# Altium PCB EVK-IRIS-W1.PcbDoc (part 8 of 9) (continued)
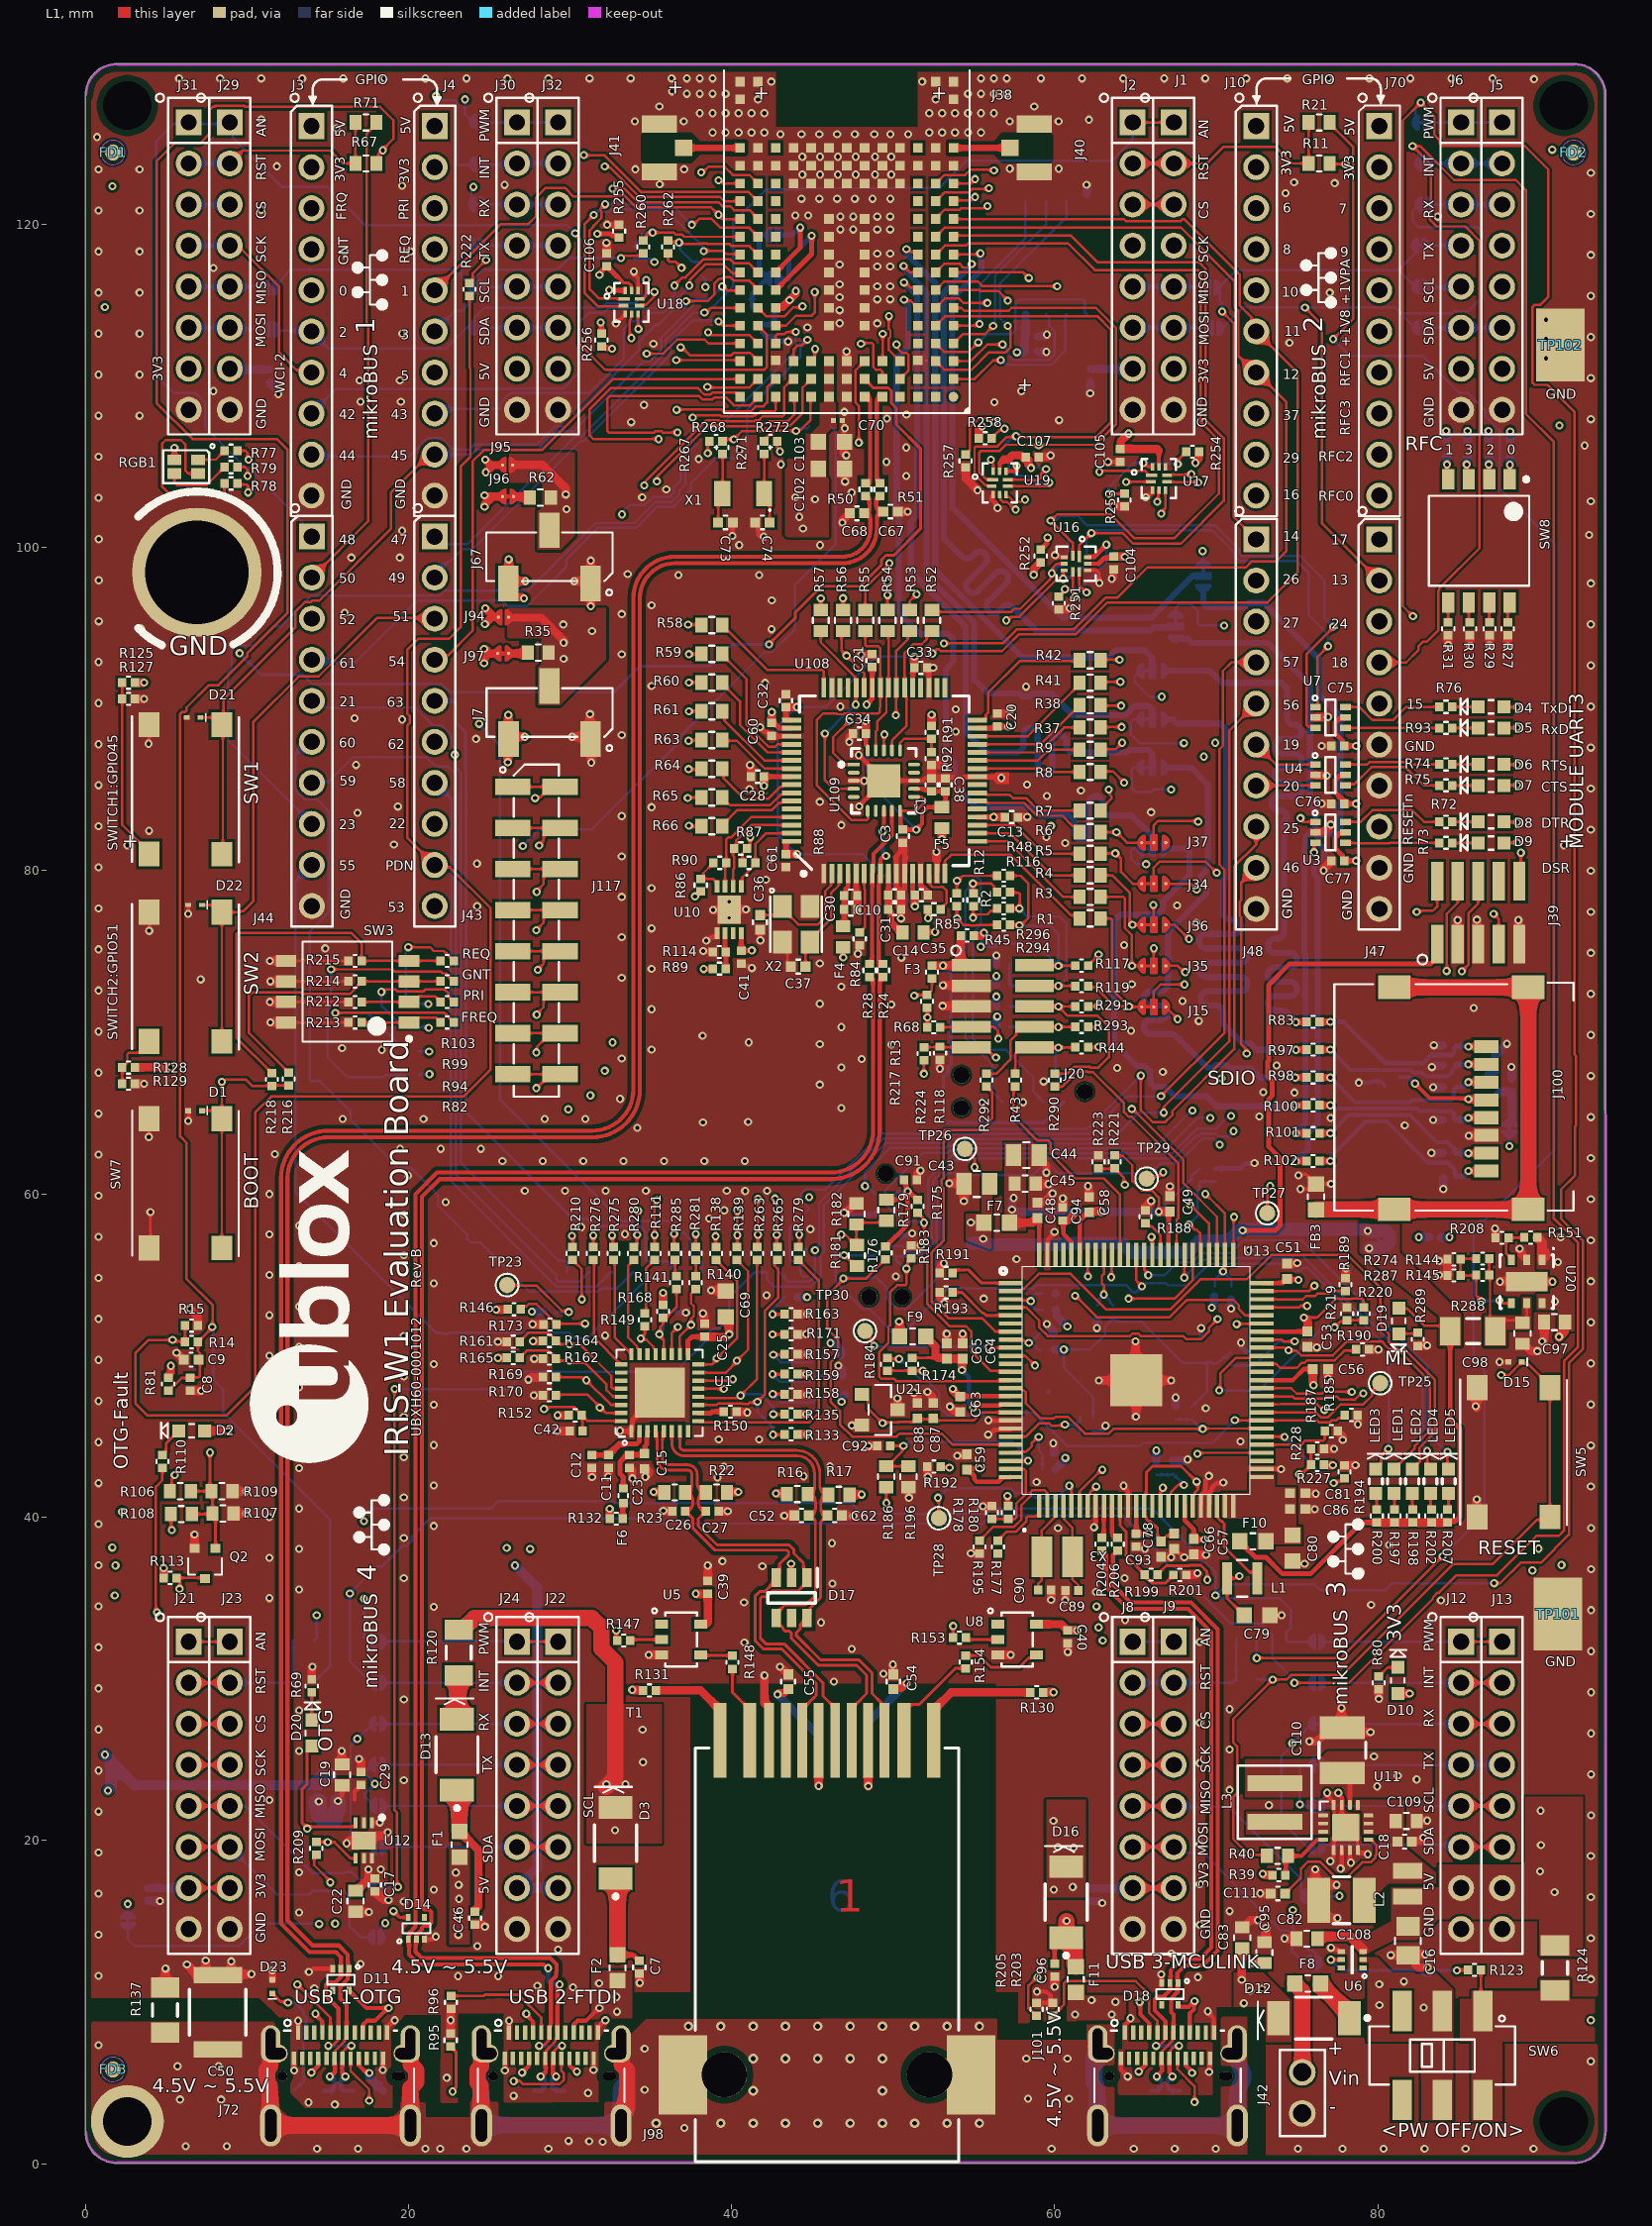
[diagram p0: L1 view]
## Nets (pads, with @x,y where several pads share a name; then routed paths per layer and width w, separated by ;. In a path a pad name is that pad's centre, name@x,y a point inside that pad or via, vN(x,y) a via of type N, cw(c..) or ccw(c..) an arc to the next point about the centre after c; other vN are vias at no path point) (continued)
  L4 w0.15: v1(71.068,63.881) 71.093,63.856 73.379,63.856 74.51,64.986 75.106,64.986 75.387,65.267 75.387,66.199 82.975,73.787 v1(84.25,73.787)
  L6 w0.15: J33.4@50.163,56.159 50.183,56.14 J33.4@50.189,56.14 ; J33.4@50.189,56.163 J33.4@50.189,56.14 ; v1@50.697,55.397 50.189,55.905 J33.4@50.189,56.14 ; v1(71.068,63.881) 70.737,63.551 70.12,63.551 69.947,63.724 69.013,63.724 68.84,63.551 68.741,63.551 67.39,62.2 54.917,62.2 54.781,62.064 53.741,62.064 52.47,60.794 52.47,58.76 52.696,58.534 52.696,56.676 52.035,56.015 50.913,56.015 50.788,56.14 J33.4@50.189,56.14
PIO0_12-SWDIO: J33.2 J39.2 R175.1 U13.12 | length 61.5
  L1 w0.15: R175.1@51.51,58.833 51.525,58.833 51.849,58.509 51.849,58.28 v1(51.917,58.211) 51.917,57.267 52.192,56.993 52.192,56.596 52.101,56.505 52.101,53.197 53.479,51.819 54.502,51.819 54.829,51.492 54.829,50.25 56.041,49.037 57.206,49.037 U13.12@57.266,48.977 ; v1(82.396,77.445) 82.464,77.513 83.404,77.513 83.666,77.775 J39.2@83.666,79.344
  L4 w0.15: v1(69.62,64.694) 71.118,66.192 72.334,66.192 72.421,66.28 72.421,66.491 73.401,67.47 74.059,67.47 74.56,67.971 74.669,67.971 75.765,69.068 75.765,70.457 78.337,73.029 78.532,73.029 82.396,76.893 v1(82.396,77.445)
  L6 w0.15: v1@51.829,58.278 50.585,58.278 J33.2@50.163,58.699 49.518,59.344 49.518,60.208 49.825,60.514 49.829,60.514 51.849,62.535 53.363,62.535 53.522,62.694 54.563,62.694 54.668,62.8 66.938,62.8 68.832,64.694 v1(69.62,64.694)
PMIC_EN: R177.1
QSPI-RCE: J38.A5 U2.1 | length 10.4
  L1 w0.152: J38.A5@53.731,113.712 55.144,113.712 55.249,113.817 v1(55.345,113.817)
  L6 w0.152: v1(55.345,113.817) 55.347,113.82 55.347,116.23 55.896,116.778 55.896,116.828 58.19,119.122 U2.1@58.19,121.407
QSPI-RCLK: J38.A2 U2.6 | length 10.2
  L1 w0.152: J38.A2@53.731,110.412 55.039,110.412 56.189,111.563 56.646,111.563 v2(56.666,111.582)
  L6 w0.152: v2(56.666,111.582) 56.748,111.582 57.048,111.282 59.784,111.282 60.655,112.153 60.655,114.332 U2.6@60.73,114.407
QSPI-RD0: J38.B4 U2.5 | length 12.7
  L1 w0.152: J38.B4@52.616,112.627 53.157,112.086 54.68,112.086 v1(55.269,112.674)
  L6 w0.152: v1(55.269,112.674) 55.777,113.182 57.326,113.182 57.578,113.434 57.578,115.09 57.821,115.333 61.754,115.333 61.843,115.244 61.843,114.563 U2.5@62,114.407
QSPI-RD1: J38.A4 U2.2 | length 12
  L1 w0.152: J38.A4@53.731,112.612 54.323,113.204 55.697,113.204 v1(56.183,113.69)
  L6 w0.152: v1(56.183,113.69) 56.183,113.787 56.308,113.911 56.308,116.812 59.46,119.964 U2.2@59.46,121.407
QSPI-RD2: J38.B3 U2.3 | length 16.4
  L1 w0.152: J38.B3@52.631,111.512 53.157,110.986 54.85,110.986 55.932,112.067 56.966,112.067 57.248,112.348 57.248,113.444 57.098,113.594 v1(57.098,113.69)
  L6 w0.15: v1(57.098,113.69) 56.619,114.169 56.619,116.334 60.73,120.445 U2.3@60.73,121.407
QSPI-RD3: J38.A3 U2.7 | length 10.1
  L1 w0.152: J38.A3@53.731,111.512 53.739,111.52 54.799,111.52 55.827,112.547 v2(56.767,112.547)
  L6 w0.152: v2(56.767,112.547) 57.146,112.168 57.146,111.896 57.457,111.585 59.659,111.585 59.859,111.785 59.991,111.917 59.991,113.356 59.659,113.688 59.659,114.208 U2.7@59.46,114.407
QSPI-RDQS: J10.8 J38.D3 | length 28.8
  L1 w0.15: v1(49.732,114.3) 49.732,113.504 49.83,113.406 49.83,113.009 49.732,112.911 49.732,112.212 J38.D3@50.431,111.512
  L4 w0.15: v1(49.732,114.3) 50.087,114.656 55.607,114.656 55.779,114.484 59.285,114.484 60.29,113.48 60.29,113.361 63.818,109.833 68.829,109.833 70.453,108.209 72.395,108.209 J10.8@72.465,108.279
RESET: J20.10 J45.10 R43.1 R44.1 | length 7.4
  L1 w0.15: R43.1@57.555,67.431 57.555,68.695 57.923,69.063 J20.10@58.743,69.063 v1@60.226,69.063 ; v1(60.226,69.05) R44.1@61.175,69.05
  L6 w0.15: v1(60.226,69.05) 60.226,68.964 60.046,68.783 60.046,67.488 J45.10@60.579,66.954
RESETn: C8.1 C9.1 D15.1 J37.1 J47.8 R6.2 R10.1 R11.1 R14.2 R40.2 R44.2 R46.1 R67.1 R81.1 SW5.1 SW5.2 | length 372.8
  L1 w0.15: R81.1@5.15,47.834 5.465,48.149 5.504,48.149 5.968,48.613 C8.1@6.507,48.613 ; C8.1@6.495,48.64 7.013,48.64 7.101,48.728 7.101,50.145 6.975,50.271 6.975,50.836 7.876,51.737 7.876,53.133 6.267,54.742 6.267,63.157 5.876,63.549 5.876,89.69 6.007,89.822 6.179,89.822 6.267,89.909 6.267,90.081 7.655,91.469 8.249,91.469 10.028,93.248 10.028,93.443 12.529,95.944 12.529,106.037 11.867,106.698 6.642,106.698 4.417,108.923 4.417,123.888 5.547,125.018 7.137,125.018 7.697,125.578 7.697,127.053 7.891,127.247 7.986,127.247 8.052,127.313 9.839,127.313 9.904,127.247 18.246,127.247 19.077,126.417 19.077,125.27 18.391,124.584 18.142,124.335 18.142,123.864 R67.1@18.025,123.748 R67.1@18.093,123.815 ; R44.2@62.062,69.063 v1@62.66,69.063 ; R6.2@62.834,82.374 v1(63.819,82.374) 64.468,81.725 J37.1@65.378,81.725 ; R40.2@73.133,19.037 73.074,19.097 72.037,19.097 71.042,20.091 71.042,22.675 71.288,22.921 71.288,25.815 71.042,26.061 71.042,27.508 v1(73.481,29.947) 74.353,29.947 74.628,30.222 77.771,30.222 84.633,37.084 87.095,37.084 89.852,39.841 90.478,39.841 SW5.2@90.64,40.003 SW5.1@90.64,48.003 90.64,48.091 90.065,48.666 90.065,48.703 89.269,49.498 89.011,49.498 D15.1@88.911,49.598 88.906,49.598 88.076,48.768 v1@87.679,48.768 ; R11.1@77.015,123.748 77.056,123.708 v1(78.001,123.708)
  L3 w0.15: v1(62.711,69.088) 62.779,69.156 62.945,69.156 62.978,69.19 72.202,69.19 72.659,68.732 74.02,68.732 74.145,68.607 74.145,68.581 74.602,68.125 74.825,68.125 76.614,66.336 76.614,65.756 76.454,65.597 76.454,63.238 76.432,63.216 76.432,62.819 76.454,62.797 76.454,58.946 86.607,48.793 v1(87.628,48.793) ; v1(78.001,123.708) 79.06,122.648 79.06,120.554 80.057,119.558 80.416,119.558 83.337,116.637 83.337,96.225 83.083,95.971 83.083,94.251 83.461,93.874 83.461,92.292 82.499,91.33 82.499,89.679 82.521,89.657 82.521,89.26 82.499,89.239 82.499,85.123 J47.8@80.085,82.709
  L4 w0.15: v1(7.861,51.765) v1@7.93,51.697 ; v1@18.332,124.556 18.642,124.866 22.35,124.866 22.681,125.196 22.681,127.565 23.304,128.189 33.043,128.189 35.556,125.675 37.512,125.675 39.505,123.683 55.863,123.683 58.979,126.799 60.012,126.799 60.526,127.313 74.395,127.313 v1(78.001,123.708) ; v1(62.711,69.088) 62.207,69.592 62.207,74.976 62.67,75.439 62.67,81.544 63.471,82.345 63.79,82.345 v1(63.819,82.374) 63.477,82.716 63.477,83.697 63.956,84.176 66.496,84.176 70.128,80.543 71.39,80.543 72.041,81.194 72.89,81.194 73.541,80.543 77.92,80.543 78.17,80.793 78.17,80.806 78.45,81.086 78.463,81.086 J47.8@80.085,82.709
  L6 w0.15: v1(7.861,51.765) 7.923,51.703 7.923,48.514 8.533,47.904 8.533,46.471 15.164,39.84 15.164,30.796 R10.1@14.187,29.818 ; R46.1@72.53,29.972 72.556,29.947 v1(73.481,29.947)
  other v1: 18.413,124.562
RF-1: J38.N16 J41.1 | length 3.5
  L1 w0.378: J41.1@37.031,124.712 J38.N16@40.531,124.712
RF-2: J38.A16 J40.1 | length 3.5
  L1 w0.378: J38.A16@53.731,124.712 J40.1@57.231,124.712
RF-CNT-0: J38.B6 J70.10 R26.1 SW8.1 | length 43.5
  L1 w0.15: SW8.1@88.16,104.106 SW8.1@88.16,104.208 v2(88.16,105.097)
  L1 w0.152: J38.B6@52.631,114.812 53.208,115.389 53.334,115.389 53.338,115.386 54.077,115.386 54.35,115.113 v1(55.828,115.113)
  L4 w0.152: v1(55.828,115.113) 56.571,115.113 56.899,114.785 59.971,114.785 62.494,112.262 67.603,112.262 70.559,109.306 72.89,109.306 73.492,108.704 73.492,108.245 78.511,103.226 J70.10@80.034,103.226 ; J70.10@80.085,103.199 86.535,103.199 88.107,104.771 88.107,105.044 v2(88.16,105.097)
  L6 w0.501: v2(88.16,105.097) 88.161,105.098 88.161,105.581 R26.1@88.185,105.605
RF-CNT-1: J38.B7 J70.7 R18.1 SW8.4 | length 39.5
  L1 w0.15: J38.B7@52.631,115.912 53.156,116.437 55.242,116.437 55.525,116.154 v1(60.146,116.154) ; SW8.4@84.054,103.912 84.274,104.131 v2(84.274,105.122)
  L4 w0.15: v1(60.146,116.154) 63.35,116.154 64.401,115.103 67.902,115.103 70.671,112.334 74.173,112.334 75.941,110.566 79.833,110.566 J70.7@80.085,110.819 82.218,108.686 82.218,107.433 84.213,105.439 84.213,105.183 v2(84.274,105.122)
  L6 w0.501: R18.1@84.223,105.631 84.272,105.581 84.272,105.123 v2(84.274,105.122)
RF-CNT-2: J38.A7 J70.9 R25.1 SW8.2 | length 39.8
  L1 w0.15: J38.A7@53.731,115.912 55.342,115.912 55.4,115.854 56.509,115.854 v1(57.098,115.265) ; SW8.2@86.864,104.131 v2(86.864,105.122)
  L4 w0.15: v1(57.098,115.265) 59.917,115.265 62.619,112.563 67.728,112.563 70.537,109.753 73.582,109.753 77.597,105.739 J70.9@80.085,105.739 81.356,105.739 82.879,104.216 85.622,104.216 86.507,105.102 86.844,105.102 v2(86.864,105.122)
  L6 w0.501: v2(86.864,105.122) R25.1@86.864,105.605
RF-CNT-3: J38.A8 J70.8 R20.1 SW8.3 | length 38.8
  L1 w0.15: J38.A8@53.731,117.012 58.043,117.012 v1(58.393,116.662) ; SW8.3@85.493,104.131 v2(85.493,105.122)
  L4 w0.15: v1(58.393,116.662) 58.952,116.662 60.882,114.732 67.671,114.732 70.559,111.844 72.89,111.844 76.683,108.052 79.858,108.052 J70.8@80.085,108.279 83.721,104.643 85.018,104.643 85.493,105.118 v2(85.493,105.122)
  L6 w0.501: v2(85.493,105.122) 85.494,105.123 85.494,105.53 R20.1@85.569,105.605
RFECLK: R279.1 U1.9 | length 17.8
  L1 w0.152: U1.9@37.937,45.94 37.991,45.886 38.305,45.886 38.33,45.861 44.804,45.861 45.414,46.47 45.414,54.623 R279.1@44.123,55.913 R279.1@44.108,55.913
RMII-RxD0: R138.1 R272.1 | length 59.5
  L1 w0.15: v1(39.013,57.379) 39.013,56.745 R138.1@39.044,56.713 ; R272.1@42.814,106.57 42.814,106.144 v1@42.948,106.011
  L3 w0.15: v1(39.013,57.379) 39.749,58.115 42.847,58.115 43.813,59.081 43.813,66.659 43.813,66.734 ccw(c43.484,66.734) 43.484,67.063 43.235,67.063 cw(c43.235,67.392) 42.906,67.392 cw(c43.235,67.392) 43.235,67.721 43.897,67.721 ccw(c43.897,68.05) 44.226,68.05 ccw(c43.897,68.05) 43.897,68.379 43.235,68.379 cw(c43.235,68.708) 42.906,68.708 cw(c43.235,68.708) 43.235,69.037 43.894,69.037 ccw(c43.894,69.366) 44.223,69.366 ccw(c43.894,69.366) 43.894,69.695 43.484,69.695 cw(c43.484,70.024) 43.155,70.024 cw(c43.484,70.024) 43.484,70.353 ccw(c43.484,70.682) 43.813,70.682 43.813,72.288 43.813,80.572 43.568,80.817 43.568,81.214 43.813,81.459 43.813,87.808 43.382,88.239 43.382,100.447 42.572,101.257 42.572,105.598 42.898,105.924 v1(42.995,105.924)
RMII-RxD1: R139.1 R268.1 | length 55
  L1 w0.15: v1(38.53,105.816) 38.53,106.462 R268.1@38.638,106.57 ; R268.1@38.603,106.605 R268.1@38.638,106.64 ; R139.1@40.314,56.713 40.357,56.757 v1(40.357,58.945)
  L3 w0.15: v1(38.53,105.816) 41.283,103.063 41.283,98.544 41.227,98.487 41.227,98.094 41.283,98.038 41.283,88.68 42.315,87.648 42.315,85.613 42.485,85.444 42.485,83.269 41.902,82.686 41.902,80.342 42.606,79.638 42.606,60.885 43.173,60.318 43.173,59.508 42.482,58.818 40.581,58.818 40.454,58.945 v1(40.357,58.945)
  other v1: 40.357,57.446
RMII-RxERR: R141.1 R285.1 | length 1
  L1 w0.15: R285.1@36.505,55.913 36.505,54.972 R141.1@36.577,54.9
RMII-TxD0: R275.1 U1.24 | length 6.4
  L1 w0.15: R275.1@32.696,55.913 32.763,55.847 32.763,51.115 U1.24@33.802,50.075 ; R275.1@32.851,55.838 R275.1@32.851,55.913
RMII-TxD1: R276.1 U1.25 | length 7.2
  L1 w0.15: R276.1@31.426,55.913 31.493,55.847 31.493,51.114 U1.25@33.167,49.44
RMII-TxEN: R280.1 U1.23 | length 6.3
  L1 w0.152: R280.1@33.966,55.913 33.951,55.913 33.767,55.73 33.767,55.715 33.601,55.548 33.601,51.107 34.159,50.549 34.159,50.468 U1.23@34.248,50.379 ; U1.23@34.249,50.379 34.302,50.325 U1.23@34.302,50.075
RUSB-D_n: R28.1 U108.7 U109.9 | length 10.1
  L1 w0.255: R28.1@48.543,74.224 ccw(c48.543,74.383) 48.702,74.383 48.702,79.809 U108.7@48.707,79.809 48.73,79.894 48.762,79.894 ccw(c48.525,79.987) 48.78,79.986 48.78,80.409 48.78,81.033 49.925,82.179 U109.9@49.925,83.694
RUSB-D_p: R24.1 U108.8 U109.8 | length 10
  L1 w0.255: v1(49.357,82.427) ccw(c49.357,82.495) 49.425,82.495 U109.8@49.425,83.694 ; R24.1@49.381,74.224 cw(c49.381,74.499) 49.107,74.499 49.107,79.04 cw(c49.362,79.038) 49.12,79.12 ccw(c48.857,79.209) 49.135,79.209 49.135,79.631 cw(c49.39,79.631) 49.182,79.778 49.185,79.778 U108.8@49.207,79.809 49.207,80.559 cw(c49.559,80.559) v1(49.559,80.911)
  L6 w0.255: v1(49.357,82.427) 49.357,81.182 49.559,80.979 v1(49.559,80.911)
SDIO-CLK: J55.3 R100.1 | length 30.6
  L1 w0.378: v1@74.968,65.481 R100.1@75.563,65.481
  L6 w0.378: J55.3@66.797,81.362 68.123,81.362 68.344,81.141 68.344,79.725 66.696,78.077 66.696,77.626 66.349,77.279 64.069,77.279 63.676,76.886 63.676,69.342 65.115,67.903 65.573,67.903 65.92,67.556 65.92,66.854 66.142,66.633 66.817,66.633 67.416,66.035 69.401,66.035 70.021,65.415 74.858,65.415 v1(74.908,65.465)
SDIO-CMD: J57.3 R98.1 | length 34.2
  L1 w0.378: v1@74.942,67.208 R98.1@75.538,67.208
  L6 w0.378: J57.3@66.797,86.362 67.514,86.362 68.433,86.362 69.465,85.33 69.465,80.135 69.04,79.71 69.04,79.397 69.375,79.062 69.375,78.571 67.008,76.204 67.008,75.834 67.008,72.987 cw(c66.565,72.987) 66.565,72.544 65.951,72.544 ccw(c65.951,72.101) 65.508,72.101 ccw(c65.951,72.101) 65.951,71.658 66.565,71.658 cw(c66.565,71.215) 67.008,71.215 cw(c66.565,71.215) 66.565,70.772 65.951,70.772 ccw(c65.951,70.329) 65.508,70.329 ccw(c65.951,70.329) 65.951,69.886 67.19,69.886 cw(c67.19,69.443) 67.504,69.756 68.451,68.809 69.469,67.791 69.782,67.791 69.97,67.978 70.665,67.978 70.901,67.742 72.16,67.742 72.709,67.192 v1(74.883,67.192)
SDIO-D0: J58.3 R101.1 | length 38.5
  L1 w0.378: v1@74.984,63.754 R101.1@75.58,63.754
  L6 w0.38: J58.3@67.486,94.347 68.238,94.347 68.497,94.087 73.196,94.087 75.805,91.477 75.805,84.017 76.148,83.675 76.148,82.709 75.518,82.08 75.518,81.44 75.452,81.374 75.452,74.922 75.518,74.856 75.518,64.332 v1(74.924,63.738)
SDIO-D1: J59.3 R102.1 | length 44.1
  L1 w0.378: v1@74.984,62.032 R102.1@75.58,62.032
  L6 w0.378: J59.3@69.188,97.471 69.188,96.507 69.409,96.286 71.731,96.286 71.994,96.548 72.937,96.548 76.334,93.151 76.334,90.913 77.678,89.569 77.678,82.601 77.331,82.253 76.515,82.253 76.294,82.032 76.294,81.719 76.639,81.373 76.639,80.882 76.292,80.535 76.276,80.535 76.055,80.313 76.055,79.756 76.275,79.536 76.275,64.34 75.665,63.73 75.665,62.756 v1(74.924,62.016)
SDIO-D3: J56.3 R97.1 | length 42.4
  L1 w0.378: v1@74.984,68.92 R97.1@75.58,68.92
  L6 w0.378: J56.3@66.797,89.362 67.311,89.362 67.57,89.103 70.211,89.103 70.619,88.695 70.619,79.612 70.433,79.425 70.433,78.323 70.433,77.592 70.433,77.403 ccw(c70.876,77.403) 70.876,76.96 71.081,76.96 cw(c71.081,76.517) 71.524,76.517 cw(c71.081,76.517) 71.081,76.074 69.376,76.074 ccw(c69.376,75.631) 68.933,75.631 ccw(c69.376,75.631) 69.376,75.188 71.49,75.188 cw(c71.49,74.745) 71.933,74.745 cw(c71.49,74.745) 71.49,74.302 69.376,74.302 ccw(c69.376,73.859) 68.933,73.859 ccw(c69.376,73.859) 69.376,73.416 71.49,73.416 cw(c71.49,72.973) 71.933,72.973 cw(c71.49,72.973) 71.49,72.53 69.48,72.53 ccw(c69.48,72.087) 69.037,72.087 ccw(c69.48,72.087) 69.48,71.644 69.99,71.644 cw(c69.99,71.201) 70.433,71.201 70.433,70.51 71.636,69.307 71.668,69.275 72.126,69.275 72.497,68.904 v1(74.924,68.904)
TCK_SWCLK: J20.4 R47.2 R112.1 R116.1 R119.1 R296.1 | length 16.3
  L1 w0.15: R296.1@57.244,77.656 57.74,77.656 57.834,77.749 57.834,78.551 57.746,78.638 57.273,78.638 R116.1@57.244,78.668 ; J20.4@58.743,72.873 R119.1@61.243,72.873 ; R119.1@61.245,72.873 R119.1@61.243,72.873 ; R119.1@61.262,72.854 R119.1@61.243,72.873
  L6 w0.15: R47.2@57.193,74.2 R112.1@57.193,72.911 57.243,72.86 v1(60.226,72.86) 60.73,73.364 60.73,76.708 60.273,77.165 58.291,77.165 v1(57.809,77.648)
TDI: J20.8 R104.1 R292.1 R293.1 | length 10.5
  L1 w0.15: R292.1@55.777,67.431 56.382,67.431 57.255,68.304 57.255,69.473 57.429,69.647 57.618,69.836 57.618,70.028 57.923,70.333 J20.8@58.743,70.333 58.749,70.326 R293.1@61.212,70.326
  L6 w0.15: R104.1@57.193,70.333 57.205,70.32 v1(60.226,70.32)
TDO_SWO: J20.6 R49.1 R290.1 R291.1 | length 14.9
  L1 w0.15: J20.6@58.743,71.603 58.755,71.59 v1(60.226,71.59) ; R290.1@60,67.431 60.771,67.431 61.208,67.867 62.154,67.867 62.206,67.815 62.708,67.815 63.346,68.453 63.346,70.324 62.657,71.014 60.803,71.014 v1(60.226,71.59) ; R291.1@61.262,71.59 v1(60.226,71.59)
  L6 w0.15: R49.1@57.193,71.622 57.224,71.59 v1(60.226,71.59)
TMS_SWDIO: J20.2 R48.1 R105.1 R117.1 R294.1 | length 15.5
  L1 w0.15: R294.1@57.244,76.644 57.948,76.644 58.368,77.064 58.368,79.197 57.885,79.68 R48.1@57.244,79.68 ; J20.2@58.743,74.143 58.768,74.117 R117.1@61.262,74.117
  L6 w0.15: R105.1@57.193,75.489 58.842,75.489 v1(60.226,74.105) 60.226,76.094 59.714,76.606 v1(57.809,76.606)
TRGT_3v3_DCDC_EN: R177.2 U13.26 | length 3.9
  L1 w0.15: R177.2@56.488,38.551 57.037,39.099 57.607,39.099 58.231,39.724 58.231,39.943 58.34,40.052 58.981,40.052 59.041,40.112 U13.26@59.041,40.702
uBus1-I2C-SCL: J30.5 J32.5 J83.2 | length 5.1
  L6 w0.15: J83.2@24.497,116.128 J83.2@24.57,116.128 ; J83.2@24.574,116.113 26.711,116.113 J30.5@26.725,116.128 J32.5@29.265,116.128
  L6 w0.152: 24.707,116.287 24.697,116.273 24.674,116.24 24.646,116.195 24.646,116.115 24.646,116.073 24.642,116.069 24.719,115.96
uBus1-I2C-SDA: J30.6 J32.6 J84.2 | length 5.6
  L6 w0.15: 24.397,113.162 24.397,113.356 24.485,113.444 24.705,113.444 ; J84.2@24.498,113.588 24.57,113.588 24.561,113.588 J84.2@24.556,113.592 ; J84.2@24.57,113.569 24.579,113.579 24.615,113.579 24.624,113.588 24.651,113.588 24.731,113.588 25.423,113.588 25.433,113.599 ; 25.449,113.588 J30.6@26.725,113.588 J32.6@29.265,113.588
  L6 w0.152: 24.651,113.516 24.703,113.442 24.719,113.42 ; J84.2@24.651,113.622 24.714,113.712 24.719,113.718
uBus1-INT: J30.2 J32.2 J92.2 | length 8.7
  L6 w0.15: J30.2@26.7,123.778 J32.2@29.24,123.778
  L6 w0.152: 24.498,123.653 24.507,123.663 J92.2@24.673,123.663 ; J92.2@24.673,123.653 J30.2@26.64,123.663 ; J30.2@26.725,123.748 J30.2@26.64,123.663 ; J92.2@24.673,123.663 J30.2@26.64,123.663 ; J92.2@24.673,123.663 J30.2@26.64,123.663
uBus1-PWM: J30.1 J32.1 J89.2 | length 6.8
  L6 w0.15: 24.498,126.288 J30.1@26.725,126.288 ; J89.2@24.673,126.288 24.837,126.288 J30.1@26.725,126.288 ; J32.1@29.265,126.288 J30.1@26.725,126.288
uBus1-Reset: J29.2 J31.2 R67.2 R71.2 | length 13.5
  L1 w0.15: J29.2@8.945,123.748 9.742,124.544 15.162,124.544 15.959,123.748 R67.2@16.725,123.748 R71.2@16.725,126.288
  L6 w0.15: J31.2@6.38,123.752 J29.2@8.92,123.752
uBus1-SPI-MISO: J29.5 J31.5 J80.2 | length 5
  L6 w0.15: J31.5@6.405,116.128 J29.5@8.945,116.128
  L6 w0.152: J29.5@8.945,116.128 10.625,116.128 10.944,116.128 11.016,116.056 J80.2@11.191,116.056 ; 11.042,116.133 11.157,116.133 J80.2@11.16,116.135 ; J80.2@11.16,116.056 J80.2@11.16,116.134
uBus1-SPI-MOSI: J29.6 J31.6 J85.2 | length 5
  L6 w0.15: J31.6@6.431,113.592 J29.6@8.971,113.592
  L6 w0.152: J29.6@8.945,113.588 9.03,113.503 11.198,113.503 11.226,113.474 11.135,113.41
uBus1-UART-RX: J27.2 J30.3 J32.3 | length 4.6
  L6 w0.15: 24.649,121.208 27.501,121.208 J32.3@29.265,121.208
uBus1-UART-TX: J25.2 J30.4 J32.4 | length 4.7
  L6 w0.15: J25.2@24.546,118.668 J30.4@26.725,118.668 J32.4@29.265,118.668
uBus2-I2C-SCL: J5.5 J6.5 J82.2 | length 7.2
  L4 w0.152: J6.5@85.145,116.128 J5.5@87.685,116.128
  L6 w0.15: 82.791,115.676 82.98,115.676 83.046,115.742 83.074,115.771 83.135,115.831 83.135,115.958 83.135,115.984 J6.5@85.145,116.128 83.125,116.128 ; J82.2@82.918,116.128 82.972,116.128 J82.2@82.951,116.107
uBus2-I2C-SDA: J5.6 J6.6 J87.2 | length 5.1
  L6 w0.15: J87.2@82.918,113.588 J87.2@82.962,113.588 J6.6@85.145,113.588
  L6 w0.152: 83.067,113.439 J87.2@82.962,113.588 83.067,113.737 ; J6.6@85.145,113.588 J5.6@87.685,113.588
uBus2-INT: J5.2 J6.2 J91.2 | length 4.6
  L6 w0.15: 83.079,123.748 J91.2@83.092,123.748 ; J91.2@83.129,123.748 J6.2@85.145,123.748
  L6 w0.152: J6.2@85.145,123.748 J5.2@87.685,123.748
uBus2-PWM: J5.1 J6.1 J88.2 | length 4.7
  L6 w0.15: J88.2@83.034,126.242 83.08,126.288 83.135,126.288 J6.1@85.145,126.288
  L6 w0.152: J6.1@85.145,126.288 J5.1@87.685,126.288
uBus2-Reset: J1.2 J2.2 R11.2 R21.2 | length 14.3
  L1 w0.15: J1.2@67.365,123.748 69.404,123.748 70.427,124.771 73.678,124.771 74.701,123.748 R11.2@75.715,123.748 R21.2@75.715,126.288
  L1 w0.152: J2.2@64.825,123.748 J1.2@67.365,123.748
uBus2-SPI-MISO: J1.5 J2.5 J81.2 | length 5.2
  L6 w0.152: J2.5@64.825,116.128 J1.5@67.365,116.128 68.922,116.128 69.285,116.128 69.296,116.117 69.296,116.082 69.463,116.082 69.463,116.378 69.314,116.23
uBus2-SPI-MOSI: J1.6 J2.6 J86.2 | length 5.2
  L6 w0.152: J2.6@64.825,113.588 J1.6@67.365,113.588 J86.2@69.621,113.588 ; 69.516,113.737 J86.2@69.621,113.588 ; 69.527,113.41 69.537,113.424 69.627,113.552 69.627,113.582 J86.2@69.621,113.588 ; J86.2@69.665,113.588 J86.2@69.621,113.588
uBus2-UART-RX: J5.3 J6.3 J28.2 | length 4.7
  L6 w0.15: 82.969,121.208 J6.3@85.145,121.208
  L6 w0.152: J6.3@85.145,121.208 J5.3@87.685,121.208
uBus2-UART-TX: J5.4 J6.4 J26.2 | length 4.7
  L4 w0.152: J6.4@85.145,118.668 J5.4@87.685,118.668
  L6 w0.15: J26.2@82.969,118.668 J6.4@85.145,118.668
uBus3-I2C-SCL: J11.2 J12.5 J13.5 | length 11.2
  L1 w0.15: J12.5@85.122,22.105 J12.5@85.145,22.128 J13.5@87.685,22.128
  L6 w0.15: J11.2@76.53,22.128 76.704,22.128 J12.5@85.145,22.128
uBus3-I2C-SDA: J12.6 J13.6 J79.2 | length 11.3
  L1 w0.15: J12.6@85.145,19.588 J13.6@87.685,19.588
  L6 w0.15: J79.2@76.53,19.565 76.692,19.727 82.555,19.727 82.602,19.68 82.999,19.68 83.046,19.727 85.006,19.727 J12.6@85.145,19.588
uBus3-INT: J12.2 J13.2 J62.2 | length 11.1
  L1 w0.15: J12.2@85.145,29.748 J13.2@87.685,29.748
  L6 w0.15: J62.2@76.595,29.748 J12.2@85.145,29.748
uBus3-PWM: J12.1 J13.1 J61.2 | length 11.1
  L1 w0.15: J12.1@85.145,32.288 J13.1@87.685,32.288
  L6 w0.15: J61.2@76.595,32.288 J12.1@85.145,32.288
uBus3-Reset: J8.2 J9.2 R46.2 R70.2 | length 9.1
  L6 w0.15: J8.2@64.825,29.748 J9.2@67.365,29.748 ; J9.2@67.365,29.748 71.007,29.749 R46.2@71.23,29.972 ; R46.2@71.23,29.897 R46.2@71.23,29.972 ; R70.2@71.23,32.487 R46.2@71.23,29.972
uBus3-SPI-MISO: J8.5 J9.5 J73.2 | length 13.5
  L1 w0.152: J8.5@64.843,22.111 J9.5@67.383,22.111
  L6 w0.15: J9.5@67.365,22.128 67.4,22.093 70.763,22.093 75.237,17.619 75.237,16.684 ; 75.248,16.573 75.443,16.378
uBus3-SPI-MOSI: J8.6 J9.6 J76.2 | length 14.4
  L1 w0.152: J8.6@64.825,19.588 J9.6@67.365,19.588 J9.6@67.39,19.563
  L6 w0.152: J9.6@67.365,19.588 67.757,19.588 68.109,19.236 69.18,19.236 74.011,14.405 74.424,14.405 74.705,14.124 74.705,13.143 75.254,12.595 75.542,12.595 ; 75.542,12.446 J76.2@75.69,12.446
uBus3-UART-RX: J12.3 J13.3 J18.2 | length 11.1
  L1 w0.15: J12.3@85.145,27.208 J13.3@87.685,27.208
  L6 w0.15: J18.2@76.595,27.208 77.348,27.208 J12.3@85.145,27.208
uBus3-UART-TX: J12.4 J13.4 J16.2 | length 11.1
  L6 w0.15: J16.2@76.595,24.668 J12.4@85.145,24.668 J13.4@87.685,24.668
uBus4-I2C-SCL: J22.5 J24.5 J75.2 | length 10.8
  L1 w0.15: J24.5@26.725,22.128 J22.5@29.265,22.128
  L6 w0.15: J75.2@18.46,22.13 18.462,22.128 J24.5@26.725,22.128
uBus4-I2C-SDA: J22.6 J24.6 J78.2 | length 10.8
  L1 w0.15: J24.6@26.725,19.588 J22.6@29.265,19.588
  L6 w0.15: J78.2@18.46,19.588 J24.6@26.725,19.588
uBus4-INT: J22.2 J24.2 J93.2 | length 12
  L1 w0.15: J24.2@26.725,29.748 J22.2@29.265,29.748
  L6 w0.15: J93.2@18.445,29.748 18.62,29.748 19.131,29.748 21.769,29.748 J24.2@26.725,29.748
  L6 w0.152: 18.286,29.317 ccw(c18.175,29.748) 18.594,29.599 ccw(c18.175,29.748) 18.62,29.748 ccw(c18.175,29.748) 18.594,29.897 ccw(c18.175,29.748) 18.583,29.926 ccw(c18.175,29.748) 18.286,30.179
uBus4-PWM: J22.1 J24.1 J90.2 | length 11.8
  L1 w0.15: J24.1@26.725,32.288 J22.1@29.265,32.288
  L6 w0.15: 18.635,32.288 18.66,32.313 26.7,32.313 J24.1@26.725,32.288
  L6 w0.152: 18.286,31.857 ccw(c18.175,32.288) 18.594,32.139 ccw(c18.175,32.288) 18.62,32.288 ccw(c18.175,32.288) 18.594,32.437 ccw(c18.175,32.288) 18.583,32.466 ccw(c18.175,32.288) 18.286,32.719
uBus4-Reset: J21.2 J23.2 R10.2 R19.2 | length 9.1
  L1 w0.152: J21.2@6.405,29.748 J23.2@8.945,29.748
  L6 w0.152: J23.2@8.945,29.748 R10.2@12.882,29.748 ; R19.2@12.861,32.36 12.861,29.769 R10.2@12.882,29.748 ; R10.2@12.875,29.732 R10.2@12.887,29.743 R10.2@12.882,29.748
uBus4-SPI-MISO: J21.5 J23.5 J74.2 | length 13.9
  L1 w0.152: J21.5@6.405,22.128 J23.5@8.945,22.128
  L6 w0.152: J23.5@8.945,22.128 9.905,22.128 13.843,18.191 13.932,18.102 13.932,18.097 14.065,17.965 16.002,17.965 16.071,18.034 16.526,18.034 17.661,16.899 J74.2@17.81,17.048 17.661,17.197
uBus4-SPI-MOSI: J21.6 J23.6 J77.2 | length 14.9
  L1 w0.152: J21.6@6.405,19.588 J23.6@8.945,19.588
  L6 w0.152: J23.6@8.945,19.588 11.893,16.641 13.838,16.641 14.065,16.867 16.002,16.867 16.134,16.734 16.134,16.73 16.224,16.641 16.228,16.641 16.356,16.513 16.356,14.681 17.042,13.995 J77.2@17.712,13.995
uBus4-UART-RX: J19.2 J22.3 J24.3 | length 10.8
  L1 w0.15: J24.3@26.725,27.208 J22.3@29.265,27.208
  L6 w0.15: J19.2@18.445,27.208 J24.3@26.725,27.208
uBus4-UART-TX: J17.2 J22.4 J24.4 | length 10.8
  L1 w0.15: J24.4@26.725,24.668 J22.4@29.265,24.668
  L6 w0.15: J17.2@18.445,24.693 26.7,24.693 J24.4@26.725,24.668
USB1_VBUS: R199.1 R201.2 U13.36 | length 7.1
  L1 w0.178: U13.36@64.041,40.702 64.041,39.466 64.419,39.088 64.419,37.596 65.562,36.452 R199.1@65.562,36.437 65.733,36.266 65.733,36.193 66.003,35.923 66.854,35.923 67.339,36.409 R201.2@67.339,36.424
USB-D_n: D14.1 J98.A7 J98.B7 R28.2 TP111.1 | length 105.3
  L1 w0.178: J98.B7@28.517,6.591 28.517,6.976 29.022,7.482 29.022,7.491 29.095,7.563 29.095,7.671 29.221,7.797 J98.A7@29.221,8.112
  L1 w0.255: 22.741,61.316 21.774,61.316 20.44,59.982 20.44,59.039 20.44,14.663 20.069,14.292 20.069,14.126 20.019,14.076 20.019,13.902 D14.1@19.996,13.879 20.044,13.832 20.044,12.935 20.659,12.32 28.374,12.32 28.604,12.09 v1(28.65,12.09) ; 22.741,61.316 46.152,61.316 ccw(c46.152,63.923) 48.76,63.923 48.76,73.208 ccw(c48.543,73.208) R28.2@48.543,73.424 ; v1@28.281,5.437 28.499,5.655 28.499,6.219 28.471,6.247 J98.B7@28.471,6.512 ; J98.A7@29.221,8.112 29.221,10.934 v1(29.361,11.074)
  L6 w0.255: TP111.1@27.813,4.5 28.056,4.5 ccw(c28.056,4.906) 28.462,4.906 28.462,5.105 ccw(c28.182,5.105) v1(28.182,5.385) ; v1(28.65,12.09) 28.65,11.255 28.799,11.106 29.329,11.106 v1(29.361,11.074)
USB-D_p: D14.2 J98.A6 J98.B6 R24.2 TP112.1 | length 107.8
  L1 w0.178: v1@28.092,7.277 28.156,7.341 28.399,7.341 28.675,7.617 28.675,8.098 J98.A6@28.679,8.102 ; J98.B6@28.975,6.548 28.975,6.92 29.269,7.214 29.452,7.214 v1@29.515,7.277
  L1 w0.255: J98.A6@28.721,8.112 28.721,8.427 28.808,8.515 28.808,8.677 28.816,8.685 28.816,11.281 29.132,11.597 29.132,11.821 29.181,11.87 29.181,12.311 28.766,12.725 20.826,12.725 20.449,13.103 20.449,13.832 D14.2@20.496,13.879 20.519,13.902 20.519,14.169 20.845,14.495 20.845,14.577 20.994,14.727 21.261,14.727 21.424,14.889 21.424,15.569 21.261,15.732 20.994,15.732 20.845,15.881 20.845,59.814 21.941,60.911 46.152,60.911 ccw(c46.152,63.923) 49.165,63.923 49.165,73.208 cw(c49.381,73.208) R24.2@49.381,73.424 ; J98.B6@28.971,6.512 28.971,6.247 28.942,6.219 28.942,5.523 v1@29.096,5.369
  L6 w0.178: v1@28.092,7.277 v1@29.515,7.277
  L6 w0.255: v1(29.147,5.385) ccw(c29.147,5.105) 28.867,5.105 28.867,4.906 ccw(c29.273,4.906) 29.273,4.5 TP112.1@29.643,4.5
  other v1: 28.092,7.287 29.515,7.287
VBAT_DCDC/VBAT_PMU: C80.1 C81.1 C86.1 F10.2 U13.49 U13.50 U13.51